# Allegro board reComputer J401_V1.0.brd (continued)
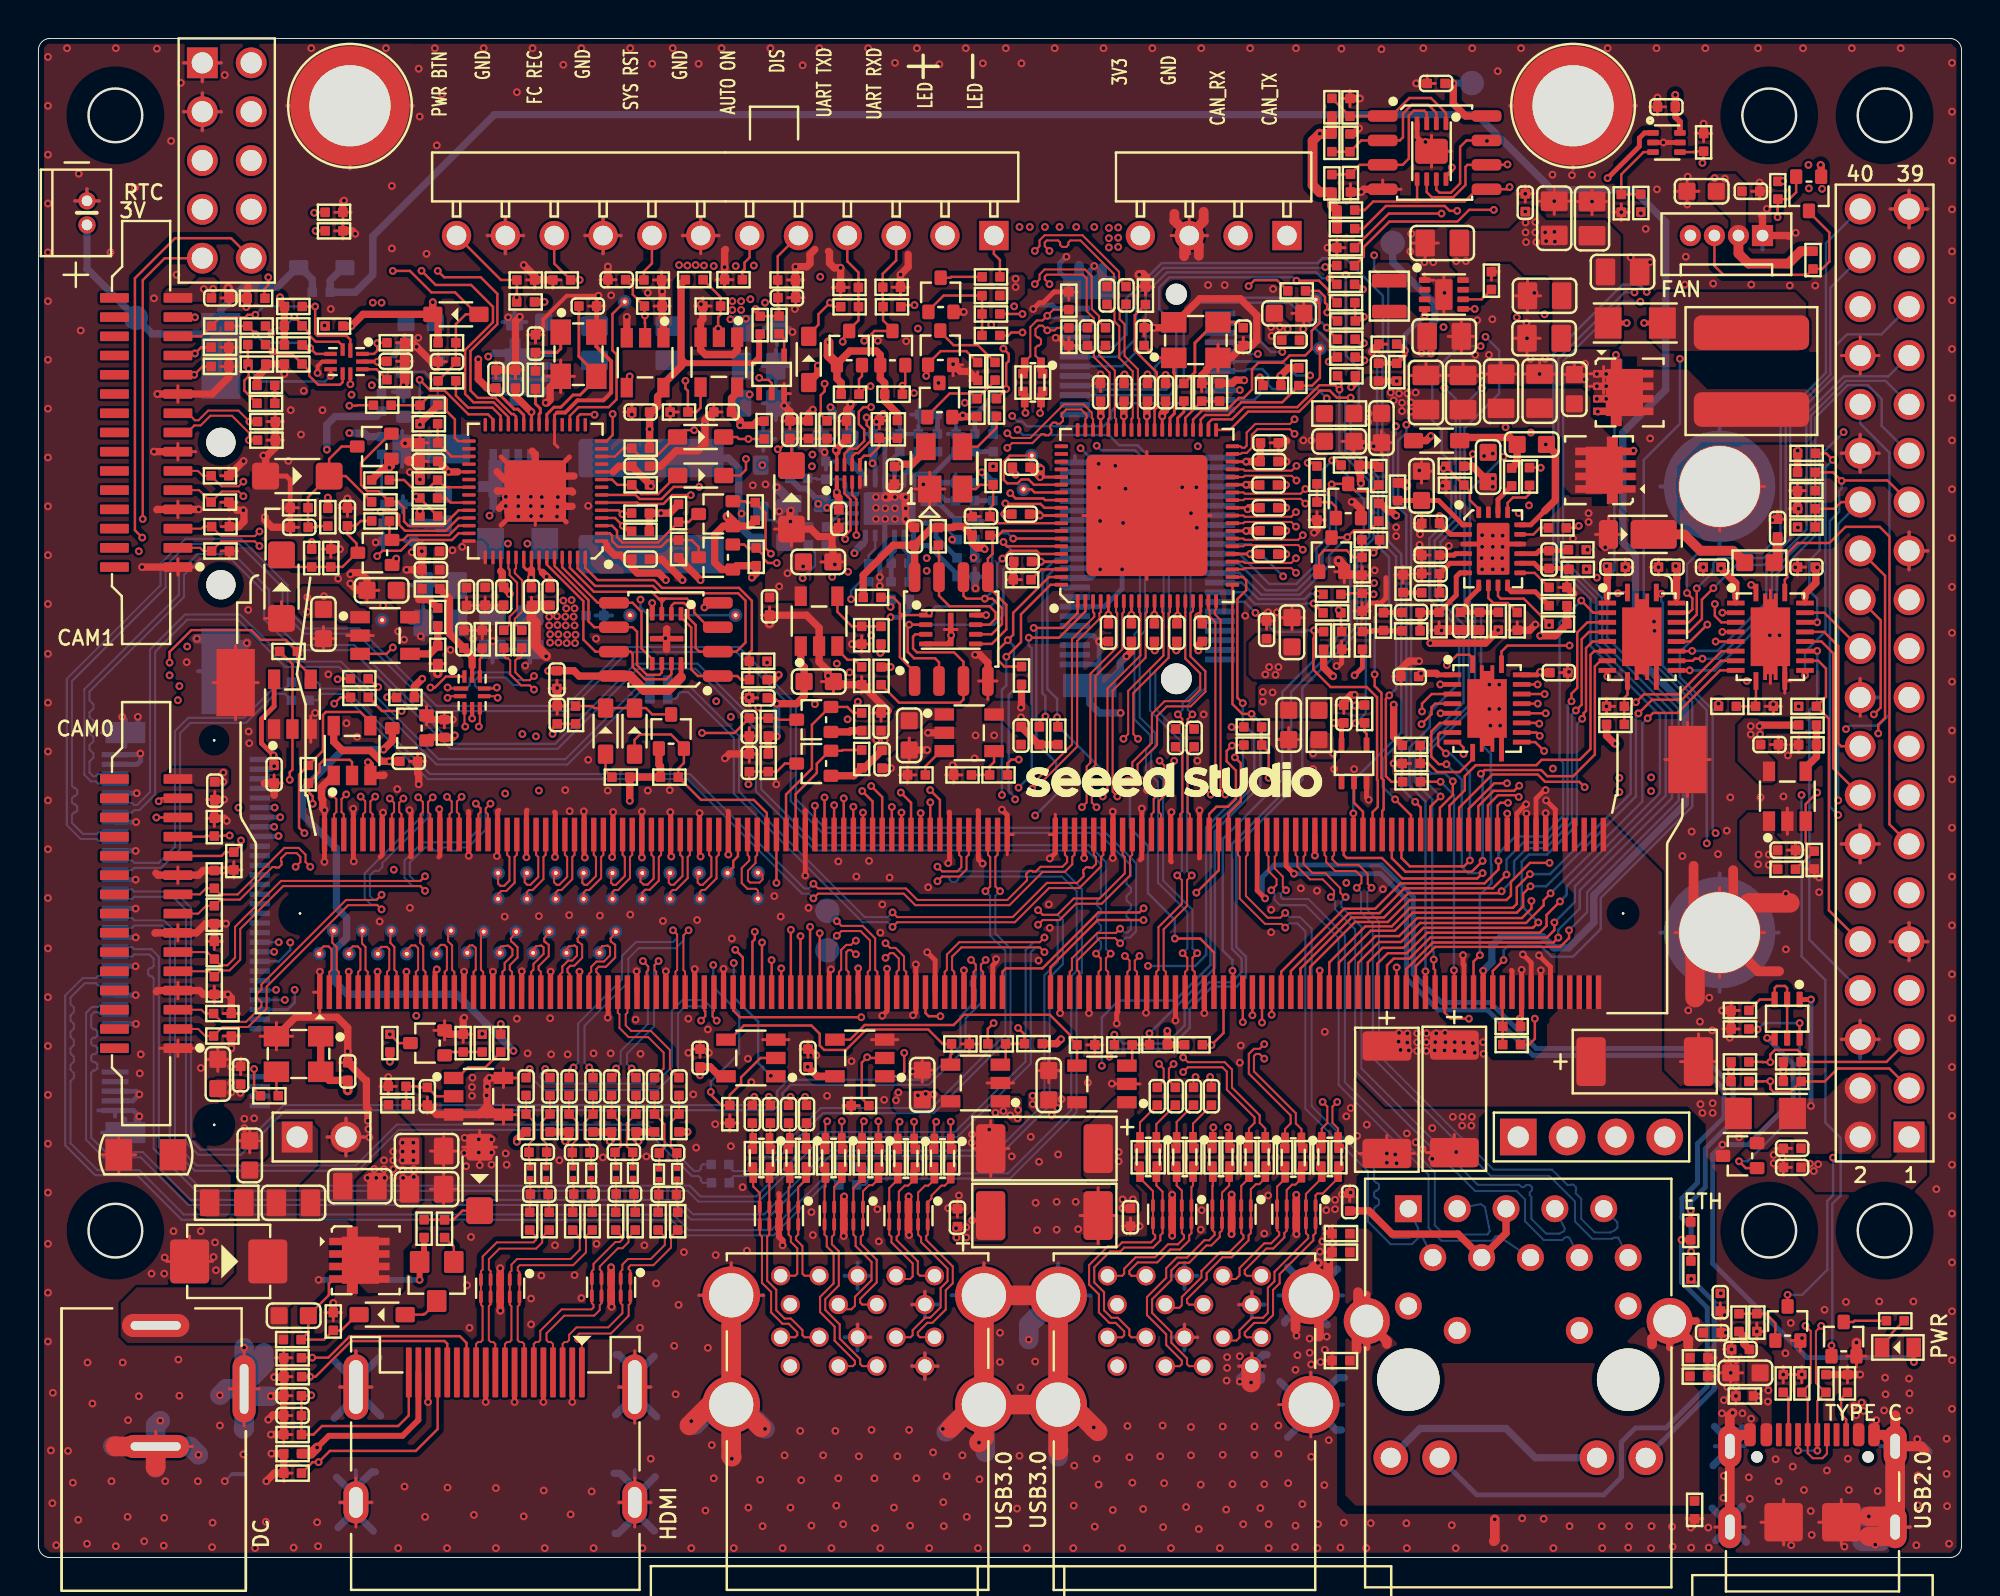
[diagram p0: board, top side]
## Routing (per net, layer and track width the routed paths; a pad name or vN(x,y) marks a point on that pad's centre or on a via; arc(x,y) is an arc through that point) (continued)
PCIE0_TX3_N: length 32.3
  TOP w0.107: J11.154 54.87,36.54 54.99,36.43 54.99,36.06 54.8,35.88 54.65,35.88 54.63,35.9 54.48,35.9 54.32,35.75 54.32,35.6 54.35,35.57 54.35,35.42 54.01,35.08 52.44,35.08 50.66,33.31 44.66,33.31 v1(44.41,33.55)
  BOTTOM w0.107: C177.2 33.15,45.62 33.26,45.52 33.26,45.38 33.36,45.28 33.89,45.28 36.43,42.74 36.43,39.84 42.96,33.31 44.17,33.31 v1(44.41,33.55)
PCIE0_TX3_P: length 32.5
  TOP w0.107: J11.156 55.37,36.54 55.26,36.43 55.26,35.95 54.12,34.82 52.55,34.82 50.77,33.04 44.66,33.04 v1(44.41,32.79)
  BOTTOM w0.107: C175.2 33.15,44.66 33.26,44.77 33.26,44.9 33.36,45.01 33.78,45.01 36.16,42.63 36.16,39.73 42.85,33.04 44.17,33.04 v1(44.41,32.79)
PCIE1_CLK_N: length 28
  TOP w0.107: v1(59.5,31.43) 59.74,31.19 59.74,30.57 59.62,30.46 J11.173
  BOTTOM w0.107: J20.49 54.86,52.95 54.98,53.06 55.44,53.06 55.73,52.77 55.73,52.62 55.69,52.58 55.69,52.43 55.84,52.28 55.99,52.28 56.03,52.32 56.18,52.32 57.27,51.23 57.27,48.3 56.99,48.02 56.99,43.58 57.81,42.77 57.81,42.23 57.59,42.02 57.59,40.95 58.21,40.33 58.21,35.1 59.74,33.57 59.74,31.68 v1(59.5,31.43)
PCIE1_CLK_P: length 28.1
  TOP w0.107: J11.175 60.12,30.46 60.01,30.57 60.01,31.19 v1(60.25,31.43)
  BOTTOM w0.107: J20.47 54.86,53.45 54.98,53.33 55.55,53.33 57.54,51.34 57.54,48.19 57.26,47.91 57.26,43.7 58.08,42.88 58.08,42.12 57.86,41.91 57.86,41.06 58.48,40.44 58.48,35.21 60.01,33.69 60.01,31.68 v1(60.25,31.43)
PCIE1_CLKREQ: length 26.2
  TOP w0.127: v1(52.36,43.75) 52.04,43.43 R99.2 ; v1(62.22,41.61) 62.52,41.31 62.52,39.33 61.87,38.68 J11.182
  LAY4 w0.127: v1(52.36,43.75) 52.95,43.16 57.39,43.16 57.73,42.82 62.02,42.82 62.5,42.35 62.5,41.89 v1(62.22,41.61)
  BOTTOM w0.127: J20.53 52.92,51.95 52.21,51.24 52.21,44.94 52.36,44.79 v1(52.36,43.75)
PCIE1_M2_TX0_N: length 18.4
  TOP w0.107: v1(59.25,43.85) 59.48,43.62 59.48,43.43 C65.1
  BOTTOM w0.107: v1(59.25,43.85) 59.49,44.09 59.49,44.43 60.4,45.33 60.4,45.97 59.64,46.73 59.64,53.13 56.71,56.06 56.15,56.06 56.04,55.96 56.04,55.89 55.93,55.79 55.72,55.79 55.61,55.89 55.61,55.96 55.51,56.06 54.98,56.06 54.86,55.95 J20.37
PCIE1_M2_TX0_P: length 18.5
  TOP w0.107: v1(60.01,43.85) 59.75,43.59 59.75,43.43 C66.1
  BOTTOM w0.107: J20.35 54.86,56.45 54.98,56.33 56.82,56.33 59.91,53.25 59.91,46.84 60.67,46.08 60.67,45.22 59.76,44.31 59.76,44.09 v1(60.01,43.85)
PCIE1_RST: length 44.3
  TOP w0.127: v1(67.27,57.06) 67.5,57.06 R153.2 ; J11.183 62.12,30.48 v1(62.09,30.51)
  BOTTOM w0.127: J20.52 62.44,52.2 64.01,50.63 65.42,50.63 66.46,51.67 66.46,52.48 67.14,53.17 67.14,55.2 66.79,55.56 66.79,56.57 v1(67.27,57.06) 68.19,56.14 68.19,55.76 68.92,55.02 68.92,53.35 68.21,52.64 68.21,48.55 64.68,45.02 64.68,40.47 61.58,37.37 61.58,31.58 62.09,31.07 v1(62.09,30.51)
PCIE1_RX0_N: length 30.7
  TOP w0.107: J11.167 58.12,30.46 58.24,30.57 58.24,32.78 59.46,34 59.46,35.23 v1(59.21,35.47)
  BOTTOM w0.107: J20.43 54.86,54.45 54.98,54.56 55.55,54.56 55.66,54.46 55.66,54.37 55.76,54.26 55.98,54.26 56.08,54.37 56.08,54.46 56.19,54.56 56.5,54.56 58.51,52.56 58.51,46.92 57.81,46.22 57.81,44.04 59.46,42.39 59.46,35.72 v1(59.21,35.47)
PCIE1_RX0_P: length 30.8
  TOP w0.107: J11.169 58.62,30.46 58.51,30.57 58.51,32.67 59.73,33.89 59.73,35.23 v1(59.97,35.47)
  BOTTOM w0.107: v1(59.97,35.47) 59.73,35.72 59.73,42.5 58.08,44.15 58.08,46.11 58.78,46.81 58.78,52.67 56.62,54.83 54.98,54.83 54.86,54.95 J20.41
PCIE1_TX0_N: length 4.8
  TOP w0.107: J11.172 59.37,38.66 59.49,38.77 59.49,41.8 C65.2
PCIE1_TX0_P: length 4.7
  TOP w0.107: J11.174 59.87,38.66 59.76,38.77 59.76,41.82 C66.2
PCIE_WAKE: length 81.2
  TOP w0.127: R100.2 53.01,43.66 v1(52.97,43.7) ; v1(59.09,32.19) 60.41,32.19 61.12,31.48 J11.179
  LAY4 w0.127: v1(59.09,32.19) 59.09,31.15 58.31,30.36 53.4,30.36 51.78,28.73 51.78,27.36 51.27,26.86 46.85,26.86 45.99,27.72 37.3,27.72 35.5,29.52 v1(13.32,29.52)
  BOTTOM w0.127: v1(59.09,32.19) 59.09,33.15 57.7,34.55 57.7,37.02 56.76,37.95 56.76,39.52 52.97,43.3 v1(52.97,43.7) 52.97,44.66 52.46,45.17 52.46,51.04 52.88,51.45 J20.55 ; v1(13.32,29.52) 13.32,28.86 12.96,28.5 J18.54
POE_VC1: length 11.7
  LAY3 w0.305: J8.1 76.95,20.6 75.02,18.67 75.02,17.51 73.75,16.24 73.75,14.61 72.21,13.08 J6.11
POE_VC2: length 12.4
  LAY3 w0.305: J8.2 79.49,20.63 77.56,18.7 77.56,17.51 76.29,16.24 76.29,14.32 J6.12
POE_VC3: length 13.2
  LAY4 w0.305: J8.4 84.57,20.64 84.47,20.54 84.47,15.17 83.65,14.36 81.52,14.36 80.13,12.96 J6.13
POE_VC4: length 10.4
  LAY3 w0.305: J8.3 82.03,20 84.34,17.69 84.34,14.76 J6.14
POWER_EN: length 100.2
  TOP w0.127: v1(33.64,61.2) 33.64,60.8 33.77,60.67 R170.1 34.21,59.57 34.43,59.79 U35.4 ; J11.237 75.62,30.51 v1(76.19,31.07)
  LAY4 w0.127: v1(85.36,62.34) 82.19,59.18 73.61,59.18 71.21,61.58 66.61,61.58 66.27,61.92 50.14,61.92 49.59,62.47 40.32,62.47 39.78,61.92 37.31,61.92 36.59,61.2 v1(33.64,61.2)
  BOTTOM w0.127: v1(85.36,62.34) 85.36,58.96 83.48,57.08 83.48,47.02 86,44.5 86,39.06 81.24,34.31 81.24,32.7 79.79,31.25 78.68,31.25 78.12,31.81 76.42,31.81 76.19,31.58 v1(76.19,31.07)
PWR_BTN*: length 92.7
  TOP w0.127: D32.2 36.49,56.27 36.79,56.57 v1(36.79,57.13) ; R224.2 v1(24.87,65.54) 24.87,65.74 24.88,65.75 D46.2 24.05,66.44 J15.12 ; J11.240 v1(76.38,38.69)
  LAY3 w0.127: v1(74.59,57.39) 74.59,42.07 75.49,41.17 75.49,39.58 v1(76.38,38.69) ; v1(37.78,65.26) 37.78,64.37 36.03,62.62 36.03,57.89 v1(36.79,57.13)
  LAY4 w0.127: v1(37.78,65.26) 37.78,65.13 37.83,65.08 37.83,64.09 37.2,63.46 29.7,63.46 28.23,64.93 27.56,64.93 26.67,65.82 25.15,65.82 v1(24.87,65.54) ; v1(74.59,57.39) 74.31,57.11 67.98,57.11 65.47,59.62 64.23,59.62 64,59.39 61.53,59.39 61.02,59.9 50.55,59.9 48.67,58.02 39.46,58.02 38.64,57.21 37.26,57.21 37.19,57.13 v1(36.79,57.13)
PWR_LED_CTRL: length 64.5
  TOP w0.127: J11.127 46.12,28.32 46.29,28.15 v1(46.9,28.15) ; R103.1 v1(62.04,43.19) ; v1(51.17,64.67) R214.1
  LAY3 w0.127: v1(62.04,43.19) 60.44,44.8 60.44,46.46 58.48,48.42 58.48,49.46 58.18,49.77 58.18,56.57 55.82,58.94 55.82,64.35 53.54,66.62 51.54,66.62 51.27,66.35 51.27,65.17 51.17,65.06 v1(51.17,64.67)
  LAY4 w0.127: v1(46.9,28.15) 47.97,27.08 51.09,27.08 51.52,27.52 51.52,28.86 53.43,30.77 v1(57.7,30.77)
  BOTTOM w0.127: v1(57.7,30.77) 60.14,30.77 60.72,31.34 60.72,37.97 62.64,39.88 62.64,42.6 v1(62.04,43.19)
QSPI_CSN: length 20.4
  TOP w0.127: U29.56 28.44,51.47 29.07,50.83 32.02,50.83 32.42,50.43 36.43,50.43 37.1,49.76 37.1,47.19 36.96,47.06 R117.1 36.96,46.1 36.97,46.09 R111.2 36.53,45.65 36.34,45.84 U22.1 34.29,45.84 33.95,46.18 33.95,48.37 33.41,48.9 U23.1
QSPI_SCLK: length 10.5
  TOP w0.127: U23.6 32.41,46.02 32.3,45.91 31.64,45.91 31.13,46.41 31.13,48.15 30.89,48.38 U22.6 28.9,48.38 28.6,48.69 28.6,49.8 26.84,51.56 U29.52
QSPI_SD0: length 8.5
  TOP w0.127: U29.53 27.24,51.5 29.08,49.65 U22.5 30.89,49.65 31.36,49.19 31.36,47.28 31.91,46.72 U23.5
QSPI_SD1: length 18.8
  TOP w0.127: U29.55 28.03,51.44 28.94,50.53 31.97,50.53 32.35,50.15 36.38,50.15 36.77,49.77 36.77,47.59 36.29,47.11 U22.2 34.36,47.11 34.18,47.3 34.18,48.5 33.79,48.88 33.79,49.42 33.57,49.64 33.06,49.64 32.91,49.49 U23.2
QSPI_SD2: length 11
  TOP w0.127: 32.41,49.7 32.24,49.87 ; 32.41,49.7 32.43,49.7 32.6,49.87 ; 32.41,49.7 U23.3 ; 32.41,49.7 32.41,49.86 32.42,49.87 ; 32.24,49.87 31.89,50.22 28.88,50.22 27.64,51.47 U29.54 ; 32.24,49.87 32.42,49.87 ; 32.42,49.87 32.6,49.87 ; 32.6,49.87 33.72,49.87 34.1,49.49 34.1,49.14 34.85,48.38 U22.3
QSPI_SD3: length 11.5
  TOP w0.127: U29.51 26.44,51.64 28.34,49.74 28.34,47.74 28.96,47.11 U22.7 30.78,47.11 30.9,47 30.9,46.32 31.54,45.68 32.65,45.68 32.91,45.94 U23.7
RP2040_XIN: length 8
  TOP w0.152: C157.1 28.1,62.46 29.01,61.56 X1.3 29.01,61.3 28.17,60.46 27.8,60.46 27.16,59.82 26.81,59.82 26.44,59.45 U29.20
RP2040_XOUT: length 2
  TOP w0.152: R185.2 25.84,60 26.1,59.75 26.1,59.53 26.04,59.46 U29.21
RUN: length 4
  TOP w0.127: U29.26 24.04,59.37 23.61,59.8 22.34,59.8 21.71,60.43 FB5.2
SDIO_CLK: length 12.3
  TOP w0.127: v1(73.61,30.54) 73.62,30.52 73.62,29.4 J11.229 ; v1(72.91,40.34) 72.37,40.34 72.37,40.34 R81.2
  BOTTOM w0.127: v1(72.91,40.34) 73.61,39.65 v1(73.61,30.54)
SDIO_CMD: length 55
  TOP w0.127: v1(75.68,70.09) 74.4,70.09 73.79,69.48 70.24,69.48 68.92,68.15 68.92,67.67 R231.2 ; v1(74.38,28.02) 73.44,28.02 73.12,28.33 J11.227
  LAY3 w0.127: v1(74.38,28.02) 74.38,28.42 74.49,28.53 74.49,33.6 73.62,34.48 73.62,37.9 74.26,38.54 74.26,40.44 73.62,41.08 73.62,47.3 74.13,47.81 74.13,65.31 75.68,66.86 v1(75.68,70.09)
SDIO_D0: length 65.3
  TOP w0.127: R227.2 68.6,66.21 v1(68.87,65.95) ; v1(79.03,32.24) 78.78,31.99 72.5,31.99 71.12,30.61 J11.219
  LAY4 w0.127: v1(83.3,65.31) 82.91,65.31 82.04,66.17 69.49,66.17 69.27,65.95 v1(68.87,65.95)
  BOTTOM w0.127: v1(79.03,32.24) 79.03,32.63 80.15,33.75 80.15,34.7 84.94,39.5 84.94,44.01 81.32,47.63 81.32,49.89 79.29,51.92 79.29,62.21 82.39,65.31 v1(83.3,65.31)
SDIO_D1: length 60.7
  TOP w0.127: v1(68.92,64.52) 68.71,64.31 R213.2 68.47,64.75 68.46,64.77 R223.2 ; J11.221 71.62,30.75 72.63,31.76 79.13,31.76 79.59,32.21 v1(79.59,32.62)
  LAY4 w0.127: v1(68.92,64.52) 71.44,64.52 71.89,64.98 73.88,64.98 74.24,65.34 76.87,65.34 79.67,62.54 v1(82.03,62.54)
  BOTTOM w0.127: v1(82.03,62.54) 82.31,62.26 82.31,59.14 81.95,58.78 81.95,51.34 81.57,50.96 81.57,47.84 85.28,44.12 85.28,39.36 80.53,34.6 80.53,33.56 v1(79.59,32.62)
SDIO_D2: length 44.9
  TOP w0.127: J11.223 v1(72.12,30.49) ; v1(68.92,63.15) 68.67,63.15 R202.2
  LAY4 w0.127: v1(74.99,63) 74.52,63 74.37,63.15 v1(68.92,63.15)
  BOTTOM w0.127: v1(74.99,63) 73.88,63 72.48,61.6 72.48,59.14 72.96,58.66 72.96,57.46 73.47,56.95 73.47,54.13 72.33,52.99 72.33,49.84 73.88,48.29 73.88,45.47 72.35,43.95 72.35,43.19 71.28,42.12 71.28,40.16 72.12,39.32 v1(72.12,30.49)
SDIO_D3: length 39.7
  TOP w0.127: J11.225 72.62,30.55 72.55,30.62 v1(72.55,31.1) ; R195.2 68.78,62.43 v1(68.95,62.26)
  LAY4 w0.127: v1(73.11,60.84) 73.11,61.07 71.92,62.26 v1(68.95,62.26)
  BOTTOM w0.127: v1(73.11,60.84) 73.7,60.26 73.7,53.98 72.61,52.89 72.61,50.02 74.1,48.52 74.1,44.46 71.56,41.92 71.56,40.34 72.48,39.43 72.48,31.57 72.55,31.49 v1(72.55,31.1)
SENSE+_DC1: length 2.5
  BOTTOM w0.254: U9.13 44.51,52.38 44.34,52.21 C116.1 44.34,50.76 R36.2
SENSE+_DC2: length 2.6
  TOP w0.254: U10.13 77.89,52.21 78.04,52.36 C179.1 79.51,52.36 R204.2
SENSE-_DC1: length 2.5
  BOTTOM w0.254: R37.2 45.27,50.74 C116.2 45.27,52.21 45.01,52.47 U9.12
SENSE-_DC2: length 2.7
  TOP w0.254: R205.2 79.54,51.44 C179.2 78.04,51.44 77.78,51.71 U10.12
SHUTDOWN_REQ*: length 128.8
  TOP w0.127: D34.2 36.32,58.27 36.42,58.17 v1(36.92,58.17) R163.2 ; R269.2 v1(24.04,27.74) ; v1(74.95,31.33) 74.62,31 J11.233
  LAY4 w0.127: v1(74.95,31.33) 73.13,29.5 53.69,29.5 52.69,28.49 52.69,27.13 51.68,26.12 46.39,26.12 45.53,26.98 24.8,26.98 v1(24.04,27.74) ; v1(76.17,57.25) 76.17,57.64 75.97,57.84 73.82,57.84 73.37,57.39 68.08,57.39 65.54,59.93 64.15,59.93 63.84,59.62 61.78,59.62 61.28,60.13 50.46,60.13 48.65,58.33 38.8,58.33 38.64,58.17 v1(36.92,58.17)
  BOTTOM w0.127: v1(74.95,31.33) 74.95,34.46 75.55,35.06 75.55,36.04 75.53,36.06 75.53,41.79 75.02,42.3 75.02,48.98 74.43,49.56 74.43,55.51 v1(76.17,57.25)
SPI0_CS0: length 48.7
  TOP w0.127: v1(71.92,43.34) 72.44,43.86 72.44,44.22 72.63,44.41 U19.5 ; J11.95 v1(38.12,31.07)
  LAY4 w0.127: v1(38.12,31.07) 38.75,31.07 40.33,29.5 46.62,29.5 47.38,30.26 47.38,31.78 48.4,32.79 48.4,39.07 50.12,40.78 62.71,40.78 63.36,41.43 70.01,41.43 v1(71.92,43.34)
SPI0_CS0_LS: length 25.9
  TOP w0.127: J10.24 95.8,48.74 95.8,44.2 v1(95.44,43.85) ; U19.16 v1(77.96,44.41)
  LAY4 w0.127: v1(77.96,44.41) 78.52,44.41 79.74,43.19 86.63,43.19 87.34,43.9 94.11,43.9 94.44,43.57 95.16,43.57 v1(95.44,43.85)
SPI0_CS1: length 49.1
  TOP w0.127: J11.97 v1(38.63,30.64) ; U19.6 v1(72.91,43.91)
  LAY4 w0.127: v1(72.91,43.91) 72.4,43.4 72.4,42.65 70.32,40.57 64.76,40.57 64.32,41 63.36,41 62.83,40.47 59.32,40.47 58.2,39.35 56.94,39.35 55.85,40.43 50.09,40.43 48.7,39.05 48.7,32.77 47.71,31.78 47.71,30.08 46.9,29.27 40,29.27 v1(38.63,30.64)
SPI0_CS1_LS: length 29.7
  TOP w0.127: v1(95.67,42.86) 95.67,43.31 96.02,43.67 96.02,51.06 J10.26 ; U19.15 v1(78.38,43.91)
  LAY4 w0.127: v1(78.38,43.91) 78.57,43.91 79.51,42.96 86.72,42.96 87.43,43.67 93.97,43.67 94.37,43.26 95.26,43.26 v1(95.67,42.86)
SPI0_MISO: length 52.4
  TOP w0.127: J11.93 v1(37.63,31.99) ; U19.3 v1(72.89,45.41)
  LAY4 w0.127: v1(72.89,45.41) 72.44,45.41 69.54,42.5 63.31,42.5 62.25,43.56 61.71,43.56 61.26,43.11 57.82,43.11 57.45,43.48 54.25,43.48 53.59,44.14 52.2,44.14 51.97,43.91 51.97,43.35 47.94,39.33 47.94,32.98 46.88,31.91 46.88,30.46 46.37,29.95 40.63,29.95 38.59,31.99 v1(37.63,31.99)
SPI0_MISO_LS: length 21.1
  TOP w0.127: U19.18 v1(77.96,45.41)
  LAY4 w0.127: J10.21 96.18,46.18 93.89,46.18 92.87,45.17 79.08,45.17 78.85,45.41 v1(77.96,45.41)
SPI0_MOSI: length 51.5
  TOP w0.127: J11.89 36.63,31.21 v1(36.23,31.6) ; v1(71.94,44) 71.94,44.41 72.44,44.91 U19.4
  LAY4 w0.127: v1(71.94,44) 71.36,44 69.58,42.22 63.74,42.22 62.55,41.03 50.04,41.03 48.17,39.16 48.17,32.89 47.1,31.82 47.1,30.3 46.53,29.73 40.5,29.73 38.67,31.55 36.68,31.55 36.63,31.6 v1(36.23,31.6)
SPI0_MOSI_LS: length 20.9
  TOP w0.127: U19.17 v1(78.32,44.91)
  LAY4 w0.127: J10.19 96.22,45.78 94.02,45.78 93.15,44.91 v1(78.32,44.91)
SPI0_SCK: length 55.4
  TOP w0.127: v1(73.24,46.41) 73.77,46.95 74.41,46.95 74.58,46.78 U19.1 ; J11.91 37.12,32.03 37.25,32.15 v1(37.25,32.54)
  LAY4 w0.127: v1(73.24,46.41) 72.96,46.13 72.81,46.13 69.43,42.76 63.41,42.76 62.25,43.91 61.26,43.91 60.77,43.42 58.09,43.42 57.14,44.37 52.1,44.37 51.73,43.99 51.73,43.43 47.71,39.42 47.71,33.08 46.65,32.01 46.65,30.72 46.11,30.18 40.78,30.18 38.42,32.54 v1(37.25,32.54)
SPI0_SCK_LS: length 23.5
  TOP w0.127: U19.20 76.08,47.12 76.39,47.43 v1(79.62,47.43)
  LAY4 w0.127: J10.23 95.96,48.5 93.92,48.5 93.03,47.61 92.14,47.61 91.73,47.2 86.93,47.2 86.58,47.56 85.1,47.56 84.67,47.12 79.92,47.12 v1(79.62,47.43)
SPI1_CS0: length 57.2
  TOP w0.127: J11.110 v1(41.87,39.48) ; U21.5 v1(87.56,48.14)
  LAY3 w0.127: v1(41.87,39.48) 42.07,39.68 v1(42.07,43.59)
  LAY4 w0.127: v1(87.56,48.14) 87.17,48.14 87.12,48.09 84.61,48.09 84.2,47.68 80.9,47.68 78.89,49.69 71.79,49.69 70.5,48.39 69.86,48.39 68.44,46.97 61.63,46.97 60.85,46.18 60.85,45.3 60.08,44.53 57.84,44.53 57.46,44.91 42.46,44.91 42.07,44.53 v1(42.07,43.59)
SPI1_CS0_LS: length 8.3
  TOP w0.127: U21.16 92.85,48.14 93.59,47.4 93.59,42.34 93.74,42.19 J10.18
SPI1_CS1: length 56.7
  TOP w0.127: J11.112 v1(42.37,39.04) ; U21.6 v1(87.21,47.64)
  LAY3 w0.127: v1(42.37,39.04) 42.37,40.72 42.68,41.03 42.68,44.04 42.61,44.11 v1(42.61,44.51)
  LAY4 w0.127: v1(42.61,44.51) 43.05,44.51 43.15,44.61 57.44,44.61 57.82,44.23 60.24,44.23 61.15,45.14 61.15,46.08 61.81,46.74 68.53,46.74 69.96,48.17 70.7,48.17 71.97,49.44 78.82,49.44 80.85,47.4 84.44,47.4 84.82,47.78 86.67,47.78 86.82,47.64 v1(87.21,47.64)
SPI1_CS1_LS: length 9.7
  TOP w0.127: U21.15 92.72,47.64 93.33,47.02 93.33,41.05 J10.16
SPI1_MISO: length 57.6
  TOP w0.127: U21.3 v1(87.57,49.14) ; J11.108 v1(41.37,39.12)
  LAY3 w0.127: v1(41.37,39.12) 41.37,39.64 41.64,39.91 41.64,45.5 v1(42.18,46.03)
  LAY4 w0.127: v1(42.18,46.03) 43.03,45.18 55.49,45.18 57.09,46.77 60.59,46.77 61.07,47.25 68.31,47.25 69.68,48.62 70.34,48.62 71.72,49.99 78.9,49.99 79.76,49.14 v1(87.57,49.14)
SPI1_MISO_LS: length 3.6
  TOP w0.127: U21.18 92.86,49.14 J10.22
SPI1_MOSI: length 59.3
  TOP w0.127: J11.104 v1(40.37,39.1) ; v1(87.17,49.59) 87.17,48.97 87.51,48.64 U21.4
  LAY3 w0.127: v1(40.37,44.38) v1(40.37,39.1)
  LAY4 w0.127: v1(87.17,49.59) 87.16,49.59 86.96,49.38 79.97,49.38 79.13,50.22 71.56,50.22 70.19,48.85 69.56,48.85 68.29,47.58 56.68,47.58 54.52,45.42 43.37,45.42 42.37,46.43 42.01,46.43 41.78,46.2 41.78,45.79 v1(40.37,44.38)
SPI1_MOSI_LS: length 22.8
  TOP w0.127: U21.17 v1(92.49,48.64)
  LAY4 w0.127: v1(93.87,58.53) 95.47,58.53 96.05,59.11 96.05,66.37 J10.37
  BOTTOM w0.127: v1(93.87,58.53) 92.62,57.28 92.62,52.38 92.09,51.85 92.09,50.27 92.49,49.87 v1(92.49,48.64)
SPI1_SCK: length 60.4
  TOP w0.127: v1(89.06,50.58) 89.31,50.33 U21.1 ; v1(40.87,39.53) J11.106
  LAY3 w0.127: v1(40.87,39.53) 40.93,39.53 41.39,39.99 41.39,45.63 41.52,45.75 v1(41.52,46.49)
  LAY4 w0.127: v1(89.06,50.58) 88.47,49.99 86.45,49.99 86.22,49.77 85.41,49.77 84.62,50.55 71.51,50.55 70.04,49.08 69.4,49.08 68.13,47.81 56.4,47.81 54.42,45.83 43.4,45.83 42.46,46.77 41.79,46.77 v1(41.52,46.49)
SPI1_SCK_LS: length 24.6
  TOP w0.127: U21.20 90.81,50.85 90.94,50.99 90.94,52.23 91.48,52.76 93.13,52.76 93.97,53.6 95.74,53.6 96.25,53.09 96.25,38.13 J10.13
SS_DC1: length 1.8
  BOTTOM w0.254: U9.4 44.51,56.49 44.41,56.59 44.41,57.13 C186.1
SS_DC2: length 1.4
  TOP w0.254: C190.1 73.61,52.13 73.69,52.21 U10.4
SUSCLK_32KHZ: length 2.9
  TOP w0.127: U16.2 68.41,39.25 68.87,38.79 J11.210
SW_DC1: length 16.9
  LAY4 w0.381: v1(36.56,54.29) 37.78,54.29 39.26,52.81 40.75,52.81 41.34,52.23 v1(42.43,52.23)
  BOTTOM w0.254: 42.86,52.69 43.01,52.84 U9.16
  BOTTOM w0.381: 42.86,52.69 42.81,52.69 42.43,52.31 v1(42.43,52.23) ; C24.2 36.56,53.52 v1(36.56,54.29) 36.56,54.81 36.41,54.96 36.41,56.64 35.87,57.18 L3.1
SW_DC2: length 16.4
  TOP w0.254: 78.33,54.43 77.6,53.71 U10.16
  TOP w0.381: v1(78.38,57.88) C119.2 78.88,57.42 78.88,54.99 78.33,54.43
  TOP w0.508: D59.2 85.57,53.21 86.42,52.36 88.11,52.36 R180.1
  LAY4 w0.381: v1(78.38,57.88) 78.69,58.2 v1(83.81,58.2)
SWCLK: length 24.3
  TOP w0.127: v1(20.76,66.91) 21.09,66.58 23,66.58 23.86,65.72 23.86,64.14 22.47,62.75 22.47,60.69 22.85,60.31 23.76,60.31 24.6,59.47 24.7,59.47 24.84,59.33 U29.24
  LAY4 w0.127: v1(20.76,66.91) 19.9,66.05 17.54,66.05 15.91,67.67 13.5,67.67 J17.8
SWDIO: length 25.5
  TOP w0.127: U29.25 24.44,59.31 23.67,60.08 22.62,60.08 22.19,60.51 22.19,62.8 23.63,64.24 23.63,65.04 22.5,66.18 20.66,66.18 v1(19.92,66.92)
  LAY4 w0.127: v1(19.92,66.92) 19.48,66.48 17.46,66.48 15.94,68 13.75,68 12.25,69.5 12.25,71.46 J17.6
SYNCO_DC1: length 3.3
  BOTTOM w0.254: U9.11 45.51,52.93 45.81,52.64 46.27,52.64 47.77,51.13 R92.1
SYNCO_DC2: length 1.8
  TOP w0.127: U10.11 77.8,51.21 R274.1
SYS_RESET: length 2.7
  TOP w0.127: J11.239 76.12,28.08 76.15,28.06 D11.2 FB1.1
SYS_RST*: length 99.1
  TOP w0.127: FB1.2 77.51,26.68 77.81,26.98 v1(77.81,28.02) ; U34.2 31.55,64.18 31.53,64.19 v1(31.53,64.59) 31.51,64.61 R221.1 30.91,65.68 30.91,66.08 C162.1 30.98,66.45 30.99,66.44 D48.2 31.48,66.88 31.9,67.3 J15.8
  LAY3 w0.127: v1(77.81,28.02) 76.72,29.12 76.72,32.39 78.07,33.74 78.07,36.43 79.16,37.52 79.16,48.67 79.13,48.67 78.65,49.16 78.65,54.64 79.16,55.15 79.16,62.8 78.32,63.63 v1(78.32,64.65)
  LAY4 w0.127: v1(78.32,64.65) 77.25,65.72 74.08,65.72 73.72,65.36 71.61,65.36 71.51,65.26 66.87,65.26 66.61,65.01 66.05,65.01 64.35,66.71 57.9,66.71 54.22,63.02 51.27,63.02 50.61,63.69 49.16,63.69 48.48,64.37 40.55,64.37 39.05,65.87 33.24,65.87 31.95,64.59 v1(31.53,64.59)
TG1: length 2
  BOTTOM w0.127: U9.17 41.87,53.8 41.64,53.58 41.64,53.34 R5.1
TG2: length 2.3
  TOP w0.127: R145.1 77.53,55.32 77.34,55.13 76.67,55.13 76.4,54.85 U10.17
TG_DC1: length 32.4
  LAY4 w0.127: v1(39.74,50.93) 38.62,49.82 35.45,49.82 35.19,50.07 31.99,50.07 31.66,50.4 31.66,53.75 30.76,54.66 30,54.66 28.82,53.47 24.8,53.47 23.68,54.59 23.68,62.16 v1(23.39,62.46)
  BOTTOM w0.127: Q5.4 23.56,62.63 v1(23.39,62.46) ; v1(39.74,50.93) 40.37,51.57 40.37,52.28 40.04,52.62 R5.2
TG_DC2: length 5.8
  TOP w0.127: v1(78.12,56.67) 77.99,56.67 77.98,56.68 R145.2
  LAY4 w0.127: v1(78.12,56.67) 82.05,56.67 v1(82.94,57.56)
TYPE C_USB_DN: length 112.9
  TOP w0.107: v1(92.5,5.56) J1.A7 92.5,8.14 D7.2 92.91,8.59 92.43,9.08 92.43,11.77 v1(92.7,12.05) ; U20.5 22.95,43.27 v1(22.9,43.21) ; J1.B7 91.5,5.56 v1(91.5,5.56)
  LAY3 w0.084: v1(92.7,12.05) 92.42,12.33 92.42,13.16 93.03,13.77 93.03,18.5 91.66,19.87 91.66,21.34 88.73,24.26 74.03,24.26 73.55,23.78 71.89,23.78 67.6,19.49 39.41,19.49 36.23,22.66 36.23,28.33 36.89,28.99 36.89,32.39 35.45,33.84 35.45,39.25 31.18,43.52 24.7,43.52 23.83,42.65 22.85,42.65 22.66,42.84 22.66,42.98 v1(22.9,43.21)
  BOTTOM w0.107: v1(92.5,5.56) v1(91.5,5.56)
TYPE C_USB_DP: length 113.4
  TOP w0.107: 91.95,12.05 v1(91.89,12.05) 92.16,11.77 92.16,9.08 91.69,8.61 D6.2 92,8.29 J1.A6 92,5.43 92.26,5.16 92.77,5.16 93,5.39 J1.B6 ; U20.3 22.15,43.25 v1(22.19,43.21)
  LAY3 w0.084: v1(91.89,12.05) 92.18,12.34 92.18,13.26 92.79,13.87 92.79,18.4 91.42,19.77 91.42,21.25 88.64,24.03 74.13,24.03 73.64,23.55 71.99,23.55 67.7,19.25 39.31,19.25 36,22.57 36,28.43 36.66,29.09 36.66,32.29 35.21,33.74 35.21,39.15 31.08,43.28 24.79,43.28 23.93,42.42 22.75,42.42 22.43,42.74 22.43,42.98 v1(22.19,43.21)
UART0_CTS: length 46.3
  TOP w0.127: J11.105 v1(40.63,32.47)
  LAY3 w0.127: v1(42.1,51.26) 42.1,50.48 39.79,48.17 39.79,38.46 41.08,37.17 41.08,33.71 40.63,33.25 v1(40.63,32.47)
  LAY4 w0.127: v1(55.03,57.82) 54.72,58.12 51.57,58.12 49.24,55.79 48.22,55.79 44.92,52.48 43.32,52.48 v1(42.1,51.26)
  BOTTOM w0.127: J20.34 57.9,56.7 57.01,57.59 55.26,57.59 v1(55.03,57.82)
UART0_RTS: length 47
  TOP w0.127: J11.103 v1(40.12,32.8)
  LAY3 w0.127: v1(40.12,32.8) 40.12,33.21 40.78,33.87 40.78,37.15 39.51,38.42 39.51,48.52 41.27,50.29 v1(41.27,51)
  LAY4 w0.127: v1(41.27,51) 41.67,51 41.83,50.83 42.36,50.83 43.68,52.15 45.03,52.15 48.35,55.48 49.28,55.48 51.68,57.87 54.01,57.87 v1(54.19,57.69)
  BOTTOM w0.127: v1(54.19,57.69) 54.57,57.31 56.88,57.31 57.99,56.2 J20.36
UART0_RXD: length 54
  TOP w0.127: J11.101 v1(39.63,32.32)
  LAY3 w0.127: v1(39.63,32.32) 39.63,34.92 39.28,35.26 39.28,49.08 40.7,50.5 40.7,52.36 42.28,53.93 42.28,56.14 41.44,56.98 40.63,56.98 v1(40.25,57.36)
  LAY4 w0.127: v1(50.63,59.37) 50.41,59.14 50.13,59.14 48.77,57.78 42.83,57.78 42.13,57.08 40.52,57.08 v1(40.25,57.36)
  BOTTOM w0.127: v1(50.63,59.37) 50.91,59.09 51.14,59.09 51.4,58.83 55.38,58.83 55.79,59.24 55.79,59.62 56.2,60.03 59.37,60.03 59.7,59.7 J20.22
UART0_TXD: length 53
  TOP w0.127: J11.99 v1(39.12,32.65)
  LAY3 w0.127: v1(39.12,32.65) 39.12,32.74 39.26,32.87 39.26,34.88 39,35.14 39,49.31 40.42,50.73 40.42,52.41 42,53.98 42,56.04 41.29,56.75 v1(40.22,56.75)
  LAY4 w0.127: v1(50.91,58.66) 50.91,58.76 50.79,58.88 50.2,58.88 48.86,57.55 42.93,57.55 42.13,56.75 v1(40.22,56.75)
  BOTTOM w0.127: J20.32 57.81,57.2 57.16,57.84 56.2,57.84 55.66,58.38 51.19,58.38 v1(50.91,58.66)
UART1_CTS: length 30
  TOP w0.127: J11.209 68.62,30.93 69.71,32.01 70.85,32.01 71.84,33 77.36,33 78.27,33.92 78.27,34.18 v1(78.63,34.55) ; v1(83.68,43.64) 83.96,43.92 85.23,43.92 87.44,46.14 U21.9
  BOTTOM w0.127: v1(78.63,34.55) 83.4,39.31 83.4,43.37 v1(83.68,43.64)
UART1_CTS_LS: length 23.5
  TOP w0.127: v1(93.31,57.08) 92.96,57.42 R169.2 ; v1(91.86,45.88) U21.12
  LAY4 w0.127: v1(93.31,57.08) 93.31,58.58 93.66,58.94 95.29,58.94 95.82,59.47 95.82,63.96 J10.36
  BOTTOM w0.127: v1(91.86,45.88) 91.86,47.1 92.93,48.17 92.93,56.7 v1(93.31,57.08)
UART1_RTS: length 25.2
  TOP w0.127: U19.9 73.82,42.41 74.1,42.12 v1(74.1,41.79) ; J11.207 68.12,30.91 69.53,32.32 70.75,32.32 71.69,33.26 77.14,33.26 77.63,33.75 v1(77.63,34.14)
  LAY3 w0.127: v1(74.1,41.79) 74.59,41.31 74.59,38.31 74.05,37.78 74.05,34.83 75.12,33.76 77.25,33.76 v1(77.63,34.14)
UART1_RTS_LS: length 26
  TOP w0.127: U19.12 77.83,42.41 v1(78.29,41.94)
  LAY4 w0.127: J10.11 96.02,35.82 96.02,40.32 95.59,40.75 88.12,40.75 87.37,41.5 78.74,41.5 v1(78.29,41.94)
UART1_RXD: length 31.5
  TOP w0.127: v1(83.2,43.9) 83.91,44.61 85.46,44.61 87.48,46.64 U21.8 ; v1(77.58,34.91) 77.2,34.53 77.2,33.87 76.87,33.54 71.46,33.54 70.52,32.6 69.28,32.6 67.62,30.94 J11.205
  BOTTOM w0.127: v1(77.58,34.91) 78.4,34.91 83.07,39.58 83.07,43.77 v1(83.2,43.9)
UART1_RXD_LS: length 16.6
  TOP w0.127: J10.10 93.1,33.66 93.1,43.62 92.98,43.75 R116.2 92.95,44.76 92.95,46.24 92.55,46.64 U21.13
UART1_TXD: length 32.5
  TOP w0.127: J11.203 67.12,30.95 69,32.82 70.37,32.82 71.34,33.79 76.67,33.79 76.87,33.99 76.87,34.86 v1(77.56,35.54) ; v1(83.07,44.48) 83.48,44.89 85.28,44.89 87.53,47.14 U21.7
  BOTTOM w0.127: v1(77.56,35.54) 78.6,35.54 82.79,39.73 82.79,44.2 v1(83.07,44.48)
UART1_TXD_LS: length 19.6
  TOP w0.127: v1(92.49,47.15) 92.48,47.14 U21.14
  BOTTOM w0.127: v1(92.49,47.15) 92.49,44.48 92.09,44.08 92.09,32.13 J10.8
UART2_RXD: length 74.1
  TOP w0.127: U30.2 41.91,55.34 42.23,55.02 42.23,53.42 41.95,53.14 v1(41.95,52.97) ; v1(76.42,39.25) 76.02,39.25 75.87,39.1 J11.238 ; Q28.2 45.07,61.09 v1(44.93,60.94) R176.2
  LAY3 w0.127: v1(44.93,60.94) 44.93,60.48 46.04,59.37 46.04,56.78 45.25,55.99 43.67,55.99 42.99,55.3 42.99,52.94 42.74,52.69 42.23,52.69 v1(41.95,52.97) ; v1(76.29,58.78) 76.29,58.39 76.54,58.14 76.54,43.09 75.72,42.26 75.72,39.95 v1(76.42,39.25)
  LAY4 w0.127: v1(44.93,60.94) 44.93,60.55 45.32,60.15 47.1,60.15 48.37,61.42 54.11,61.42 54.72,60.81 61.7,60.81 62.17,60.35 62.75,60.35 63.22,60.81 65.75,60.81 67.12,59.44 68.24,59.44 69.25,58.43 71.49,58.43 72.12,59.06 ; 72.12,59.06 73.39,59.06 73.67,58.78 v1(76.29,58.78) ; 72.12,59.06 71.53,59.06
UART2_RXD_LS: length 15.2